# KiCad board k30p-VME.kicad_pcb (continued)
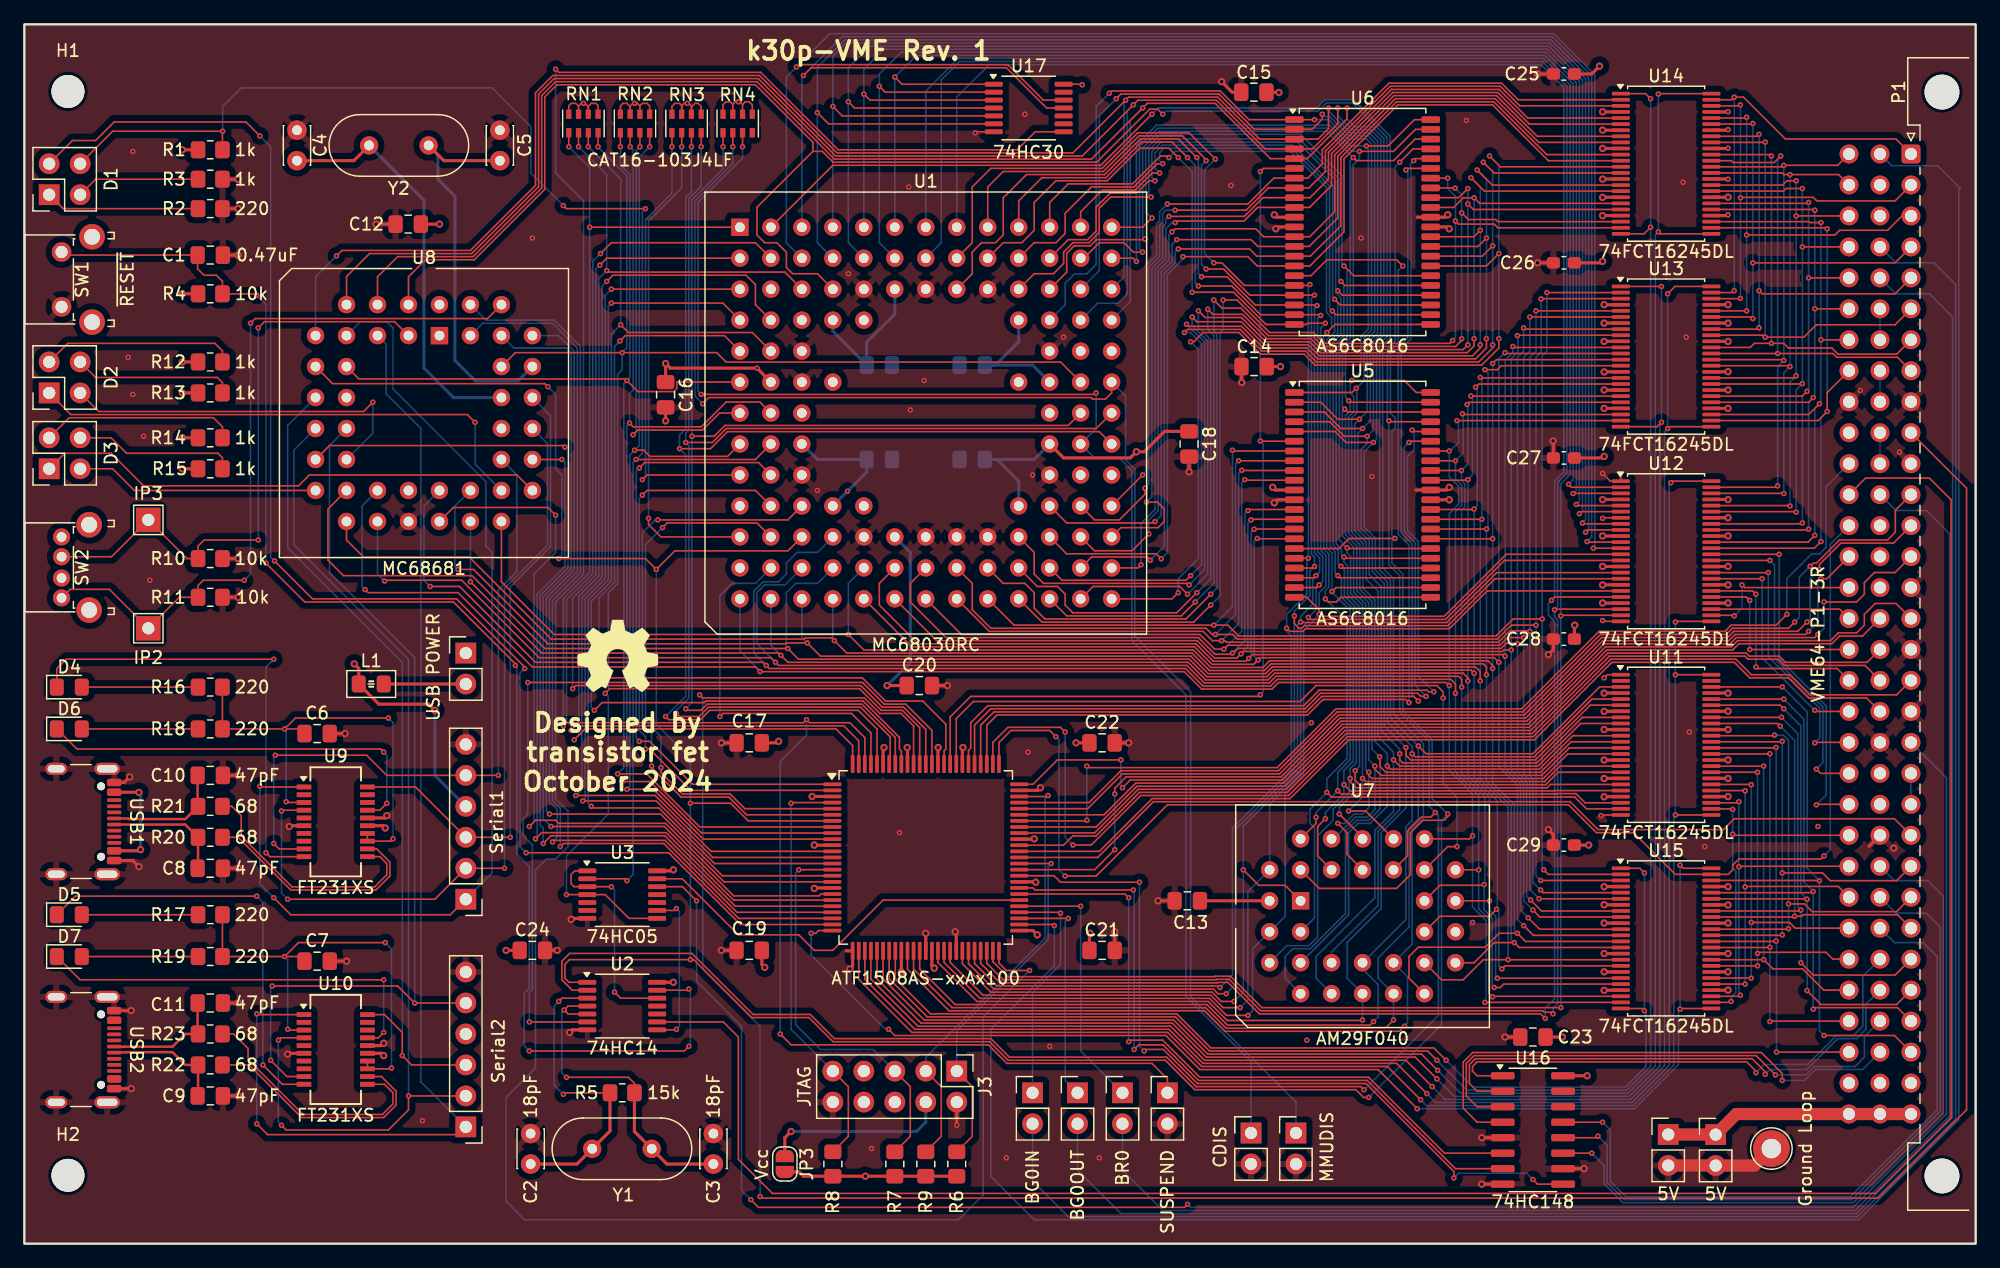
[diagram p0: board, top side]
## Routing (per net, layer and track width the routed paths; a pad name or vN(x,y) marks a point on that pad's centre or on a via; arc(x,y) is an arc through that point) (continued)
TDI: length 34.5
  Top w0.127: v1(62.86,36.12) 62.92,36.17 U4.4 ; J3.9 67.56,12.88 67.56,8.8 R8.2
  Bottom w0.127: J3.9 62.86,17.58 v1(62.86,36.12)
TDO: length 36.8
  Top w0.127: U4.73 83.87,36.67 v1(83.95,36.75) ; J3.3 75.18,12.88 75.18,8.8 R9.2
  Bottom w0.127: v1(83.95,36.75) 83.69,36.5 83.69,25.05 73.91,15.27 J3.3
TMS: length 32.9
  Top w0.127: U4.15 63.9,30.67 63.88,30.66 v1(63.5,30.66) ; J3.5 72.64,12.88 72.64,8.8 R7.2
  Bottom w0.127: v1(63.5,30.66) 63.25,30.4 63.25,17.96 65.28,15.93 69.6,15.93 J3.5
UART1_CTS: length 56
  Top w0.127: U9.9 20.89,32.37 v1(20.45,32.82) ; v1(20.57,40.06) 28.07,40.06 29.72,38.41 J4.5 v1(38.86,38.41)
  Bottom w0.127: U8.32 40.39,63.04 40.39,55.13 38.86,53.6 v1(38.86,38.41) ; v1(20.57,40.06) 20.45,39.93 v1(20.45,32.82)
UART1_DTR: length 85.7
  Top w0.127: v1(20.45,28.37) 21.84,26.97 34.92,26.97 J4.1 ; v1(19.3,37.52) 19.37,37.45 U9.1
  Bottom w0.127: v1(19.3,37.52) 19.3,29.52 v1(20.45,28.37) ; J4.1 38.35,30.4 38.35,56.69 37.85,57.2 37.85,62.48 30.23,70.1 30.23,75.11 29.72,75.62 27.56,75.62 U8.8
UART1_RX: length 66.2
  Top w0.127: v1(39.37,30.78) J4.2 33.66,28.25 v1(21.59,28.25) ; U9.4 21.15,35.55 v1(21.08,35.48)
  Bottom w0.127: v1(21.59,28.25) 21.08,28.75 v1(21.08,35.48) ; v1(39.37,30.78) 39.37,53.75 42.89,57.27 42.89,65.62 U8.33
UART1_TX: length 51.5
  Top w0.127: v1(39.84,33.33) J4.3 32.07,37.45 U9.20
  Bottom w0.127: v1(39.84,33.33) 39.84,53.86 43.14,57.16 43.14,67.91 U8.35
UART2_CTS: length 76.5
  Top w0.127: v1(20.19,15.04) 21.53,13.7 U10.9 ; J5.5 v1(32,19.74) 30.61,21.13 v1(20.32,21.13)
  Bottom w0.127: v1(32,19.74) 32,48.06 25.02,55.04 25.02,65.46 U8.14 ; v1(20.19,15.04) 20.19,21.01 v1(20.32,21.13)
UART2_DTR: length 98.6
  Top w0.127: U10.1 19.11,18.78 v1(19.05,18.85) ; v1(19.05,9.83) 19.94,8.94 35.56,8.94 J5.1
  Bottom w0.127: J5.1 32.51,13.26 32.51,66.85 29.67,69.7 29.67,73.76 U8.5 ; v1(19.05,9.83) v1(19.05,18.85)
UART2_RX: length 85.7
  Top w0.127: v1(21.08,9.7) 21.46,9.32 29.84,9.32 31.5,10.97 v1(31.5,12.12) J5.2 ; v1(20.83,16.69) 21.02,16.88 U10.4
  Bottom w0.127: v1(20.83,16.69) 20.83,9.96 v1(21.08,9.7) ; U8.13 22.1,65.08 22.1,57.32 31.5,47.92 v1(31.5,12.12)
UART2_TX: length 69.7
  Top w0.127: J5.3 31.75,14.66 v1(30.99,15.42) 30.99,17.32 29.53,18.78 U10.20
  Bottom w0.127: v1(30.99,15.42) 30.99,47.68 21.59,57.07 21.59,67.11 U8.11
USB1_5V: length 53.8
  Top w0.254: v2(27.05,47.55) 27.41,47.19 L1.1 29.06,44.25 33.15,44.25 v2(33.66,43.74) ; v2(9.52,32.31) 9.44,32.22 USB1.A9 ; USB1.A4 9.39,37.02 v2(9.4,37.01)
  In1.Cu w0.254: v2(27.05,47.55) 26.54,47.04 11.05,47.04 9.4,45.39 v2(9.4,37.01)
  Bottom w0.254: J4.4 33.66,38.41 v2(33.66,43.74) ; v2(9.52,32.31) 9.52,36.88 v2(9.4,37.01)
USB1_DN: length 9.9
  Top w0.2: USB1.A7 13.2,34.37 R20.1 14.24,30.82 C8.1
USB1_DP: length 9.9
  Top w0.2: C10.1 14.2,35.9 R21.1 13.2,34.82 8.54,34.82 8.49,34.87 USB1.A6
USB2_DN: length 9.9
  Top w0.2: USB2.A7 7.79,15.66 7.82,15.69 8.3,15.69 8.31,15.7 12.14,15.7 13.19,14.66 R22.1 14.24,12.15 C9.1
USB2_DP: length 9.9
  Top w0.2: USB2.A6 7.79,16.16 7.82,16.14 8.13,16.14 8.14,16.15 12.14,16.15 13.19,17.2 R23.1 14.2,17.23 C11.1
VA1: length 52.4
  Top w0.127: v1(147.19,29.77) 147.18,29.78 U15.46 ; P1.a30 153.34,17.07 v1(147.57,17.07) ; v1(144.14,45.66) U11.46
  Bottom w0.127: v1(144.14,45.66) 146.18,43.63 146.18,30.78 v1(147.19,29.77) 147.19,17.45 v1(147.57,17.07)
VA2: length 49.3
  Top w0.127: P1.a29 153.6,19.36 146.81,19.36 v1(146.69,19.23) ; v1(146.69,28.88) 146.59,28.78 U15.44 ; v1(144.27,44.66) U11.44
  Bottom w0.127: v1(146.69,19.23) v1(146.69,28.88) 145.92,29.64 145.92,43.01 v1(144.27,44.66)
VA3: length 47.3
  Top w0.127: v1(144.27,43.87) 143.98,44.16 U11.43 ; U15.43 146.14,28.28 v1(146.18,28.25) ; P1.a28 153.52,19.61 147.32,19.61 v1(146.18,20.75)
  Bottom w0.127: v1(146.18,20.75) v1(146.18,28.25) 145.67,28.75 145.67,42.47 v1(144.27,43.87)
VA4: length 43.9
  Top w0.127: v1(145.67,27.36) 145.6,27.28 U15.41 ; P1.a27 153.39,22.02 146.69,22.02 v1(145.67,23.04) ; v1(144.08,43.17) 144.07,43.16 U11.41
  Bottom w0.127: v1(144.08,43.17) 145.42,41.83 145.42,27.61 v1(145.67,27.36) v1(145.67,23.04)
VA5: length 38.7
  Top w0.127: v1(143.99,42.44) 143.76,42.66 U11.40 ; P1.a26 153.6,26.97 145.88,26.97 145.75,26.85 v1(145.16,26.85) 145.1,26.78 U15.40
  Bottom w0.127: v1(145.16,26.85) 145.16,41.26 v1(143.99,42.44)
VA6: length 39.1
  Top w0.127: P1.a25 153.52,27.23 146.6,27.23 145.97,27.86 v1(144.65,27.86) ; U11.38 143.46,41.66 v1(143.51,41.71) ; U15.38 144.61,25.78 v1(144.65,25.83)
  Bottom w0.127: v1(143.51,41.71) 144.23,41.71 144.65,41.28 v1(144.65,25.83)
VA7: length 38.8
  Top w0.127: v1(144.14,30.4) 147.45,30.4 148.08,29.77 153.52,29.77 P1.a24 ; U15.37 144.11,25.28 v1(144.14,25.32) ; U11.37 144.11,41.16 v1(144.14,41.2)
  Bottom w0.127: v1(144.14,25.32) v1(144.14,41.2)
VA8: length 41.6
  Top w0.127: U11.36 143.61,40.66 v1(143.64,40.69) ; 143.64,15.67 v1(143.68,15.71) P1.c30 ; v1(143.64,24.82) 143.61,24.78 U15.36
  Bottom w0.127: v1(143.64,40.69) v1(143.64,24.82) 143.68,24.78 v1(143.68,15.71)
VA9: length 38.1
  Top w0.127: v1(143.13,18.21) 143.17,18.25 P1.c29 ; U15.35 143.11,24.28 v1(143.13,24.31) ; v1(143.13,40.18) 143.11,40.16 U11.35
  Bottom w0.127: v1(143.13,40.18) v1(143.13,24.31) v1(143.13,18.21)
VA10: length 32.5
  Top w0.127: U11.33 142.61,39.16 v1(142.62,39.17) ; U15.33 142.61,23.28 v1(142.62,23.29) 143.38,22.53 145.82,22.53 147.56,20.79 P1.c28
  Bottom w0.127: v1(142.62,23.29) v1(142.62,39.17)
VA11: length 31.2
  Top w0.127: v1(142.11,23.8) 142.2,23.89 147.74,23.89 148.3,23.33 P1.c27 ; U15.32 142.11,22.78 v1(142.11,22.78) ; v1(142.11,38.66) 142.11,38.66 U11.32
  Bottom w0.127: v1(142.11,22.78) v1(142.11,38.66)
VA12: length 30.6
  Top w0.127: v1(141.61,37.64) 141.59,37.66 U11.30 ; v1(141.61,26.34) 144.74,26.34 145.21,25.87 P1.c26 ; U15.30 141.59,21.78 v1(141.61,21.77)
  Bottom w0.127: v1(141.61,21.77) v1(141.61,37.64)
VA13: length 30.3
  Top w0.127: U11.29 141.07,37.16 v1(141.1,37.14) ; v1(141.1,29.26) 141.13,29.3 148.73,29.3 P1.c25 ; v1(141.1,21.28) U15.29
  Bottom w0.127: v1(141.1,21.28) v1(141.1,37.14)
VA14: length 29.7
  Top w0.127: v1(140.72,20.37) 140.63,20.28 U15.27 ; U11.27 140.5,36.16 v1(140.59,36.25) ; v1(140.59,30.91) 140.63,30.95 P1.c24
  Bottom w0.127: v1(140.72,20.37) 140.59,20.5 v1(140.59,30.91) v1(140.59,36.25)
VA15: length 29
  Top w0.127: v1(140.08,35.61) 140.03,35.66 U11.26 ; P1.c23 140.17,33.49 v1(140.08,33.58) ; U15.26 139.88,19.78 v1(139.95,19.86)
  Bottom w0.127: v1(139.95,19.86) 139.95,20.2 140.33,20.58 140.33,30.58 140.08,30.83 v1(140.08,33.58) v1(140.08,35.61)
VA16: length 30.7
  Top w0.127: P1.c22 146.98,36.03 v1(146.94,35.99) ; v1(143.89,56.53) U12.36
  Bottom w0.127: v1(146.94,35.99) 147.74,36.79 147.74,44.12 143.89,47.97 v1(143.89,56.53)
VA17: length 26.8
  Top w0.127: v1(146.94,38.91) 147.28,38.57 P1.c21 ; v1(143.13,56.03) U12.35
  Bottom w0.127: v1(146.94,38.91) 147.48,39.46 147.48,44.02 143.51,47.99 143.51,55.65 v1(143.13,56.03)
VA18: length 23.4
  Top w0.127: v1(146.81,41.07) 146.85,41.11 P1.c20 ; v1(143,55.04) 143,55.03 U12.33
  Bottom w0.127: v1(143,55.04) 143,48.14 147.23,43.91 147.23,41.49 v1(146.81,41.07)
VA19: length 19.6
  Top w0.127: P1.c19 146.9,43.65 v1(146.81,43.74) ; U12.32 v1(142.49,54.53)
  Bottom w0.127: v1(142.49,54.53) 142.49,48.06 v1(146.81,43.74)
VA20: length 17.8
  Top w0.127: U12.30 141.71,53.53 v1(141.99,53.26) ; P1.c18 148.64,47.17 142.11,47.17 v1(141.99,47.3)
  Bottom w0.127: v1(141.99,47.3) v1(141.99,53.26)
VA21: length 15.8
  Top w0.127: U12.29 141.2,53.03 v1(141.48,52.76) 141.22,53.01 ; v1(141.48,48.73) P1.c17
  Bottom w0.127: v1(141.48,48.73) v1(141.48,52.76)
VA22: length 11.6
  Top w0.127: P1.c16 148.86,52.03 U12.27
VA23: length 13.6
  Top w0.127: v1(140.84,54.03) 141.06,53.81 P1.c15 ; v1(140.21,51.49) 140.16,51.53 U12.26
  Bottom w0.127: v1(140.84,54.03) 140.84,52.12 v1(140.21,51.49)
VAM0: length 77.7
  Top w0.127: U4.68 87.89,34.17 91.23,37.52 103.36,37.52 108.18,42.34 123.4,42.34 129.75,48.69 140.08,48.69 140.59,49.2 148.21,49.2 148.84,49.83 150.73,49.83 P1.b16
VAM1: length 77.5
  Top w0.127: U4.67 82.59,33.67 82.6,33.69 87.76,33.69 91.33,37.26 103.46,37.26 108.29,42.09 123.51,42.09 129.86,48.44 141.18,48.44 141.43,48.18 143.89,48.18 144.4,47.68 151.11,47.68 P1.b17
VAM2: length 77.8
  Top w0.127: U4.65 85.2,32.67 85.96,33.43 87.87,33.43 91.44,37.01 103.57,37.01 108.39,41.83 123.61,41.83 129.96,48.18 141.07,48.18 141.33,47.93 143.79,47.93 144.29,47.42 150.93,47.42 P1.b18
VAM3: length 78.7
  Top w0.127: P1.b19 151.06,44.75 146.3,44.75 144.65,46.41 141.48,46.41 140.21,47.68 130.18,47.68 123.83,41.33 108.6,41.33 103.78,36.5 92.48,36.5 88.15,32.17 U4.64
VAM4: length 76.9
  Top w0.127: U4.63 88.01,31.67 92.58,36.25 126.75,36.25 129.03,33.96 139.32,33.96 140.21,34.85 153.34,34.85 P1.a23
VAM5: length 83.6
  Top w0.127: P1.c14 147.8,54.53 v1(147.32,54.53) ; v1(89.41,36.88) 89.41,37.34 90.34,38.28 103.04,38.28 107.87,43.1 123.09,43.1 129.44,49.45 139.77,49.45 140.27,49.96 146.05,49.96 v1(146.3,50.22) ; U4.61 87.77,30.67 v1(89.41,32.31)
  Bottom w0.127: v1(146.3,50.22) 147.07,50.98 147.07,54.28 v1(147.32,54.53) ; v1(89.41,32.31) v1(89.41,36.88)
VD0: length 36.2
  Top w0.127: U14.47 140,93.82 v1(140.21,94.03) 140.97,94.03 144.4,90.6 153.47,90.6 P1.a1 ; v1(140.21,78.16) 140.06,78 U13.47
  Bottom w0.127: v1(140.21,78.16) v1(140.21,94.03)
VD1: length 35.3
  Top w0.127: v1(140.72,85.78) 140.75,85.81 146.69,85.81 146.98,85.52 153.39,85.52 P1.a2 ; U13.46 140.7,77.5 v1(140.72,77.52) ; U14.46 140.64,93.32 v1(140.72,93.4)
  Bottom w0.127: v1(140.72,77.52) v1(140.72,85.78) v1(140.72,93.4)
VD2: length 35.8
  Top w0.127: v1(141.22,82.73) 148.46,82.73 148.84,83.11 152.78,83.11 153.96,84.29 P1.a3 ; v1(141.22,92.38) 141.16,92.32 U14.44 ; U13.44 v1(141.22,76.5)
  Bottom w0.127: v1(141.22,92.38) v1(141.22,82.73) v1(141.22,76.5)
VD3: length 36.5
  Top w0.127: v1(141.73,91.87) 141.61,91.87 141.55,91.82 U14.43 ; v1(141.73,75.87) 141.6,76 U13.43 ; P1.a4 153.39,80.44 v1(141.73,80.44)
  Bottom w0.127: v1(141.73,75.87) v1(141.73,80.44) v1(141.73,91.87) 141.73,91.75
VD4: length 36.9
  Top w0.127: U14.41 142.08,90.82 v1(142.24,90.98) ; v1(142.24,78.16) 142.49,77.9 153.39,77.9 P1.a5 ; v1(142.24,75.11) 142.14,75 U13.41
  Bottom w0.127: v1(142.24,90.98) v1(142.24,78.16) v1(142.24,75.11)
VD5: length 37.8
  Top w0.127: U14.40 142.72,90.32 v1(142.75,90.35) ; U13.40 142.59,74.5 v1(142.75,74.35) 145.92,74.35 146.94,75.36 153.39,75.36 P1.a6
  Bottom w0.127: v1(142.75,74.35) v1(142.75,90.35)
VD6: length 37.7
  Top w0.127: U13.38 141.53,73.5 141.86,73.84 v1(143.26,73.84) 144.27,73.84 144.65,73.46 148.21,73.46 148.72,72.95 153.52,72.95 P1.a7 ; v1(143.26,89.2) 143.14,89.32 U14.38
  Bottom w0.127: v1(143.26,73.84) v1(143.26,89.2)
VD7: length 39.2
  Top w0.127: P1.a8 153.6,72.69 148.61,72.69 148.3,73 v1(143.76,73) U13.37 ; U14.37 139.96,88.82 140.11,88.67 143.48,88.67 v1(144.02,89.2)
  Bottom w0.127: v1(144.02,89.2) 143.76,88.95 v1(143.76,73)
VD8: length 49.7
  Top w0.127: U14.36 144.15,88.32 v1(144.27,88.44) 148.69,88.44 P1.c1 ; U13.36 144.21,72.5 v1(144.27,72.44) ; v1(143.76,62.15) 143.64,62.03 U12.47
  Bottom w0.127: v1(144.27,88.44) v1(144.27,72.44) 143.76,71.93 v1(143.76,62.15)
VD9: length 50.5
  Top w0.127: U14.35 144.13,87.82 144.27,87.68 v1(144.78,87.68) 148.77,87.68 P1.c2 ; U13.35 144.71,72 v1(144.78,71.93) ; U12.46 144.26,61.53 v1(144.27,61.52)
  Bottom w0.127: v1(144.27,61.52) 144.27,71.42 v1(144.78,71.93) v1(144.78,87.68)
VD10: length 51.8
  Top w0.127: U13.33 145.12,71 v1(145.29,71.17) ; v1(145.29,87.17) 144.53,87.17 144.17,86.82 U14.33 ; v1(144.78,60.5) 144.75,60.53 U12.44 ; v1(145.29,84.29) P1.c3
  Bottom w0.127: v1(144.78,60.5) 144.78,70.66 v1(145.29,71.17) v1(145.29,84.29) v1(145.29,87.17)
VD11: length 52.6
  Top w0.127: v1(145.29,60) 145.25,60.03 U12.43 ; v1(145.8,70.54) 145.76,70.5 U13.32 ; U14.32 144.24,86.32 144.45,86.54 v1(145.8,86.54) ; v1(145.8,81.75) P1.c4
  Bottom w0.127: v1(145.8,86.54) v1(145.8,81.75) v1(145.8,70.54) 145.29,70.03 v1(145.29,60)
VD12: length 53.3
  Top w0.127: v1(145.8,59.11) 145.73,59.03 U12.41 ; U14.30 146.23,85.32 v1(146.3,85.4) ; v1(146.18,69.9) 145.78,69.5 U13.30 ; v1(146.3,79.21) P1.c5
  Bottom w0.127: v1(146.3,85.4) v1(146.3,79.21) 146.3,70.03 v1(146.18,69.9) 145.8,69.52 v1(145.8,59.11)
VD13: length 54.2
  Top w0.127: v1(146.69,69.39) 146.3,69 U13.29 ; v1(146.81,84.76) 146.75,84.82 U14.29 ; U12.40 146.24,58.53 v1(146.3,58.6) ; v1(146.81,76.67) P1.c6
  Bottom w0.127: v1(146.81,84.76) v1(146.81,76.67) 146.81,69.52 v1(146.69,69.39) 146.3,69.01 v1(146.3,58.6)
VD14: length 55.1
  Top w0.127: U12.38 146.26,57.53 v1(146.81,58.09) ; v1(147.19,68.88) 146.31,68 U13.27 ; v1(147.32,74.13) P1.c7 ; v1(147.32,83.74) 146.43,83.74 146.36,83.82 U14.27
  Bottom w0.127: v1(147.32,83.74) v1(147.32,74.13) 147.32,69.01 v1(147.19,68.88) 146.81,68.5 v1(146.81,58.09)
VD15: length 58.5
  Top w0.127: U14.26 147.74,83.32 v1(147.83,83.24) ; P1.c8 147.83,69.8 v1(147.83,68.25) 147.08,67.5 U13.26 ; v1(147.32,57.58) 146.77,57.03 U12.37
  Bottom w0.127: v1(147.32,57.58) 147.32,67.74 v1(147.83,68.25) v1(147.83,83.24)
VSYSCLK: length 224.3
  Top w0.127: U4.90 72.91,42.45 71.88,43.48 70.15,43.48 68.88,44.75 55.63,44.75 v1(55.37,45.01) ; P1.a10 159.26,61.95 159.26,10.97 152.02,3.73 60.45,3.73 v1(60.33,3.86)
  Bottom w0.127: v1(55.37,45.01) 55.63,44.75 55.63,22.53 60.33,17.83 v1(60.33,3.86)
~{A40X_OE}: length 125
  Top w0.127: v1(135,62.41) 135.13,62.53 U12.48 ; U4.28 68.91,21.69 73.03,17.58 93.85,17.58 96.65,14.78 112.52,14.78 v1(115,12.31)
  Bottom w0.127: v1(115,12.31) 115.73,11.57 131.81,11.57 134.87,14.64 134.87,62.28 v1(135,62.41)
~{AL_OE}: length 120.1
  Top w0.127: U4.27 68.41,21.68 72.77,17.32 93.75,17.32 96.54,14.53 111.76,14.53 v1(114.49,11.8) ; U11.48 v1(135.38,46.66) ; v1(135.38,35.16) U11.25 ; U12.25 135.44,51.03 v1(135.38,50.98)
  Bottom w0.127: v1(114.49,11.8) 114.97,11.32 131.91,11.32 135.25,14.66 135.25,35.03 v1(135.38,35.16) v1(135.38,46.66) v1(135.38,50.98)
~{AS}: length 51.3
  Top w0.127: v1(50.42,41.2) 51.26,41.2 54.79,37.67 U4.1 ; U1.J2 60.2,64.06 50.86,64.06 v1(50.42,63.61)
  Bottom w0.127: v1(50.42,41.2) 50.17,41.45 50.17,63.36 v1(50.42,63.61)
~{AVEC}: length 91.6
  Top w0.127: v1(46.74,43.74) 47.37,44.37 55.75,44.37 55.88,44.5 68.77,44.5 71.75,41.52 71.75,40.56 71.91,40.41 U4.92 ; v1(46.24,89.97) RN1.3 ; v1(48.89,75.36) 49.53,74.73 59.69,74.73 U1.E2
  Bottom w0.127: v1(46.74,43.74) 46.48,43.99 46.48,52.68 48.13,54.33 48.13,74.6 v1(48.89,75.36) 48.89,87.31 v1(46.24,89.97)
~{BERR}: length 82.4
  Top w0.127: U1.H1 57.66,64.57 51.31,64.57 50.8,65.08 v1(50.04,65.08) ; v1(51.27,89.97) RN2.4 ; v1(49.4,37.26) 51.58,37.26 55.66,33.17 64.56,33.17 64.57,33.18 64.97,33.18 64.98,33.17 U4.10
  Bottom w0.127: v1(51.27,89.97) 50.42,89.12 50.42,65.46 v1(50.04,65.08) 49.66,64.69 49.66,37.52 v1(49.4,37.26)
~{BGACK}: length 93.8
  Top w0.127: v1(47.75,79.81) 47.88,79.68 62.36,79.68 U1.C3 ; v1(45.44,89.97) RN1.2 ; v1(45.09,41.33) 45.97,42.22 66.55,42.22 67.91,40.85 U4.100
  Bottom w0.127: v1(45.44,89.97) 47.75,87.66 v1(47.75,79.81) 47.12,79.17 47.12,54.75 45.47,53.1 45.47,41.71 v1(45.09,41.33)
~{BG}: length 81.4
  Top w0.127: v1(44.83,42.09) 45.21,42.47 67.18,42.47 68.41,41.24 U4.99 ; v1(47.24,81.2) 48.13,82.09 59.94,82.09 U1.B2
  Bottom w0.127: v1(47.24,81.2) 46.61,80.57 46.61,54.96 44.45,52.8 44.45,42.81 44.83,42.42 v1(44.83,42.09)
~{BR}: length 151.4
  Top w0.127: v1(44.64,89.97) RN1.1 ; JP8.1 93.73,13.51 92.46,14.78 80.56,14.78 79.04,16.31 62.86,16.31 v1(61.98,17.2) ; v1(46.36,83.36) U1.A1 ; U4.98 68.91,41.5 67.69,42.72 64.39,42.72 v1(64.14,42.98) 63.88,42.72 44.45,42.72 v1(44.2,42.47)
  Bottom w0.127: v1(61.98,17.2) 61.98,39.55 64.14,41.71 v1(64.14,42.98) ; v1(44.64,89.97) 46.36,88.25 v1(46.36,83.36) 46.36,55.07 44.2,52.91 v1(44.2,42.47)
~{CDIS}: length 123.7
  Top w0.127: v1(55.5,69.65) 87.76,69.65 v1(87.88,69.77) ; v1(58.89,89.97) RN4.3
  Bottom w0.127: JP1.1 100.58,14.93 95.25,20.27 95.25,45.01 90.81,49.45 90.81,63.42 89.79,64.44 87.76,64.44 U1.H12 87.88,66.85 v1(87.88,69.77) ; v1(58.89,89.97) 58.89,89.04 55.25,85.4 55.25,69.9 v1(55.5,69.65)
~{D16X_OE}: length 143.5
  Top w0.127: U13.48 135.35,78.5 v1(134.75,77.9) ; U13.25 134.9,67 v1(134.75,66.85) ; U4.29 69.41,21.7 73.28,17.83 93.98,17.83 96.77,15.04 113.28,15.04 v1(115.44,12.88)
  Bottom w0.127: v1(115.44,12.88) 116.5,11.83 131.7,11.83 134.49,14.62 134.49,66.6 v1(134.75,66.85) v1(134.75,77.9)
~{DL_OE}: length 159
  Top w0.127: v1(115.89,14.21) 114.55,15.55 97.03,15.55 94.23,18.34 73.79,18.34 70.41,21.71 U4.31 ; U14.48 134.02,94.32 v1(133.99,94.28) ; U14.25 134.15,82.82 v1(133.99,82.98)
  Bottom w0.127: v1(133.99,94.28) v1(133.99,82.98) 133.73,82.73 133.73,14.57 131.49,12.33 117.77,12.33 v1(115.89,14.21)
~{DS0}: length 85.3
  Top w0.127: v1(113.54,44.37) 113.28,44.63 106.49,44.63 105.22,43.36 79.76,43.36 78.91,42.52 U4.78 ; v1(113.28,88.06) 113.41,88.19 U6.39
  Bottom w0.127: v1(113.54,44.37) 113.54,57.28 112.65,58.17 112.65,73.5 113.45,74.3 113.45,87.9 v1(113.28,88.06)
~{DS1}: length 87
  Top w0.127: v1(114.3,44.5) 114.3,44.51 113.93,44.88 106.38,44.88 105.11,43.61 79.5,43.61 78.41,42.52 U4.79 ; v1(113.92,88.82) 114.08,88.99 U6.40
  Bottom w0.127: v1(114.3,44.5) 113.79,45.01 113.79,57.39 112.9,58.28 112.9,73.4 113.7,74.19 113.7,88.23 113.67,88.27 113.67,88.57 v1(113.92,88.82)
~{DS2}: length 64.9
  Top w0.127: U4.80 77.91,42.53 79.25,43.87 105.01,43.87 106.28,45.14 114.26,45.14 114.51,44.88 v1(114.93,44.88) ; v1(113.54,65.71) 113.64,65.81 U5.39
  Bottom w0.127: v1(113.54,65.71) 113.16,65.33 113.16,58.38 114.05,57.49 114.05,45.77 v1(114.93,44.88)
~{DS3}: length 66.8
  Top w0.127: v1(113.79,66.73) 113.91,66.61 U5.40 ; U4.81 77.41,40.45 77.6,40.63 77.6,42.72 78.99,44.12 104.9,44.12 106.17,45.39 115.02,45.39 115.14,45.26 v1(115.57,45.26)
  Bottom w0.127: v1(113.79,66.73) 113.96,66.56 113.96,65.11 113.41,64.57 113.41,58.49 114.3,57.6 114.3,46.53 v1(115.57,45.26)
~{DSACK0}: length 106.5
  Top w0.127: U8.10 27.43,70.92 49.28,70.92 v1(49.4,70.79) 50.31,69.88 53.24,69.88 53.49,70.14 53.49,70.66 U1.F1 ; RN2.1 v1(48.87,89.97) ; v1(48.64,38.53) 51.02,38.53 55.38,34.17 U4.8
  Bottom w0.127: v1(48.87,89.97) 48.87,88.47 49.66,87.68 49.66,71.04 v1(49.4,70.79) 49.15,70.54 49.15,39.04 v1(48.64,38.53)
~{DSACK1}: length 85.6
  Top w0.127: v1(49.02,37.9) 51.3,37.9 55.52,33.67 U4.9 ; v1(49.67,89.97) RN2.2 ; U1.G2 60.31,69.02 57.54,69.02 55.52,67 49.93,67 v1(49.62,67.31)
  Bottom w0.127: v1(49.67,89.97) 49.91,89.73 49.91,70 49.62,69.71 v1(49.62,67.31) 49.4,67.09 49.4,38.28 v1(49.02,37.9)
~{DS}: length 49.1
  Top w0.127: U4.2 54.65,37.17 51.26,40.56 v1(50.93,40.56) ; U1.K2 59.94,61.77 51.05,61.77 v1(50.67,61.39)
  Bottom w0.127: v1(50.67,61.39) 50.42,61.14 50.42,42.09 50.93,41.58 v1(50.93,40.56)
~{ECS}: length 30.8
  Top w0.127: v1(57.02,43.23) 57.28,43.48 67.82,43.48 69.41,41.89 U4.97
  Bottom w0.127: v1(57.02,43.23) 57.02,53.14 58.04,54.15 59.94,54.15 U1.M2
~{HALT}: length 128.6
  Top w0.127: v1(49.4,29.77) 49.25,29.93 U3.2 ; U1.H2 59.94,64.31 v1(50.17,64.31) ; D1.1 7.24,91.24 v1(16.26,91.24) 16.24,91.22 R1.1 ; v1(50.93,84.89) 44.45,84.89 v1(44.2,85.14)
  Bottom w0.127: v1(49.4,29.77) 49.91,30.28 49.91,64.06 v1(50.17,64.31) 50.67,64.82 50.67,84.63 v1(50.93,84.89) ; v1(44.2,85.14) 41.53,87.81 41.53,91.62 38.35,94.79 17.78,94.79 16.26,93.27 v1(16.26,91.24)
~{IOSEL}: length 68.3
  Top w0.127: v1(43.05,35.23) 52.17,35.23 57.23,30.17 U4.16
  Bottom w0.127: U8.39 43.79,74.47 45.09,73.18 45.09,55.23 42.8,52.95 42.8,35.48 v1(43.05,35.23)
~{IPL0}: length 106.9
  Top w0.127: 54.7,91.11 v1(54.7,89.97) ; U4.96 69.91,42.21 68.38,43.74 56.2,43.74 55.43,42.98 52.83,42.98 v1(52.58,43.23) ; U1.H13 88.14,66.6 57.66,66.6 56.26,65.2 v1(53.72,65.2)
  Bottom w0.127: v1(52.58,43.23) 54.23,44.88 54.23,64.69 v1(53.72,65.2) 53.72,66.32 54.23,66.83 54.23,85.82 54.7,86.29 v1(54.7,89.97)
~{IPL1}: length 105.8
  Top w0.127: U1.G13 87.88,66.85 57.55,66.85 56.41,65.71 v1(54.23,65.71) ; v1(55.5,89.97) 55.5,91.11 ; v1(53.47,43.48) 53.72,43.23 55.33,43.23 56.09,43.99 68.56,43.99 70.99,41.56 70.99,39.42 U4.94
  Bottom w0.127: v1(53.47,43.48) 53.47,43.74 54.48,44.75 54.48,65.46 v1(54.23,65.71) 54.23,66.47 54.48,66.73 54.48,85.71 55.5,86.73 v1(55.5,89.97)
~{IPL2}: length 101.9
  Top w0.127: v1(54.74,66.22) 56.56,66.22 57.45,67.11 85.6,67.11 U1.G12 ; v1(57.29,89.97) RN4.1 ; v1(54.23,43.87) 54.36,43.74 55.48,43.74 55.99,44.25 68.67,44.25 71.41,41.5 U4.93
  Bottom w0.127: v1(57.29,89.97) 57.29,88.16 54.74,85.61 v1(54.74,66.22) 54.74,44.37 v1(54.23,43.87)
~{MD32X_OE}: length 103.1
  Top w0.127: v1(64.52,25.45) 64.9,25.45 65.12,25.67 U4.25 ; U15.48 136.02,30.78 v1(135.76,31.04) ; v1(114.21,11.06) 111,14.28 96.39,14.28 93.6,17.07 71.37,17.07 v1(70.87,17.58) ; v1(135.76,19.23) 135.82,19.28 U15.25
  Bottom w0.127: v1(135.76,31.04) v1(135.76,19.23) 135.64,19.1 135.64,14.68 132.02,11.06 v1(114.21,11.06) ; v1(64.52,25.45) 64.52,23.67 70.61,17.58 v1(70.87,17.58)
~{MMUDIS}: length 126.5
  Top w0.127: U1.F13 89.15,69.77 88.65,69.27 87.59,69.27 87.46,69.39 56.13,69.39 v1(55.63,68.88) ; v1(58.09,89.97) RN4.2
  Bottom w0.127: v1(58.09,89.97) 58.09,88.6 54.99,85.5 54.99,69.52 v1(55.63,68.88) ; U1.F13 90.3,69.52 90.3,64.29 91.06,63.53 91.06,49.83 95.63,45.26 95.63,20.24 104.27,11.61 JP2.1
~{RAMSEL}: length 78.9
  Top w0.127: U4.84 75.91,43.2 77.6,44.88 101.22,44.88 v1(101.35,45.01) ; U6.6 101.6,88.19 v1(101.35,87.94) ; v1(101.35,65.84) 101.37,65.81 U5.6
  Bottom w0.127: v1(101.35,45.01) 101.57,45.24 101.57,65.61 v1(101.35,65.84) v1(101.35,87.94)
~{RD}: length 168.4
  Top w0.127: U7.24 113.41,31.8 113.41,33.83 114.55,34.98 115.32,34.98 v1(115.7,35.36) ; v1(109.86,12.62) 109.6,12.88 96.08,12.88 93.66,15.29 80.77,15.29 79.25,16.81 66.42,16.81 64.44,18.79 59.74,18.79 54.74,23.8 44.7,23.8 44.07,23.17 44.07,21.64 44.93,20.78 U2.2 ; U5.41 111.96,67.41 v1(111.89,67.49) ; U6.41 113.87,89.79 v1(112.78,88.7)
  Bottom w0.127: v1(112.78,88.7) 112.39,88.32 112.39,73.97 111.76,73.33 111.76,67.61 v1(111.89,67.49) 111.89,55.68 112.78,54.79 112.78,43.61 115.19,41.2 115.19,35.86 v1(115.7,35.36) 115.95,35.1 115.95,18.72 v1(109.86,12.62)
~{RESET}: length 153.2
  Top w0.127: U4.89 73.41,42.31 71.99,43.74 70.25,43.74 68.47,45.52 48.01,45.52 v1(47.62,45.14) ; U1.F12 84.98,72.3 57.54,72.3 56.77,73.08 v1(49.02,73.08) 40.26,73.08 U8.38 ; v1(44.45,28.63) U3.4 47.62,28.63 49.58,26.68 U3.8 ; v1(47.04,89.97) RN1.4
  Bottom w0.127: v1(44.45,28.63) 44.45,31.8 47.88,35.23 47.88,44.88 v1(47.62,45.14) 47.88,45.39 47.88,53.36 48.64,54.12 48.64,71.3 49.02,71.68 v1(49.02,73.08) 49.4,73.46 49.4,87.58 47.04,89.94 v1(47.04,89.97)
~{RMC}: length 80.8
  Top w0.127: v1(47.18,80.25) 47.75,80.82 U1.B1 ; U4.88 73.91,42.17 72.09,43.99 70.36,43.99 68.58,45.77 45.21,45.77 v1(44.96,45.52)
  Bottom w0.127: v1(47.18,80.25) 46.86,79.93 46.86,54.86 44.96,52.95 v1(44.96,45.52)
~{ROMSEL}: length 61.6
  Top w0.127: U7.22 116.71,32.56 v1(117.48,32.56) ; U4.83 76.41,43.06 77.81,44.46 104.61,44.46 105.92,45.77 115.82,45.77 116.33,45.26 v1(116.33,44.75)
  Bottom w0.127: v1(116.33,44.75) 116.33,37.77 117.48,36.63 v1(117.48,32.56)
~{SIACK}: length 71.9
  Top w0.127: U4.19 65.33,28.67 65.18,28.52 58.16,28.52 52.47,34.21 v1(43.18,34.21)
  Bottom w0.127: U8.41 40.13,73.46 44.45,73.46 44.83,73.08 44.83,55.34 42.55,53.05 42.55,34.85 v1(43.18,34.21)
~{SIRQ}: length 63.8
  Top w0.127: v1(43.56,59.74) 42.93,60.38 35.18,60.38 U8.24 ; U4.17 57.37,29.67 52.57,34.47 43.81,34.47 43.56,34.72 41.91,34.72 v1(41.4,34.21)
  Bottom w0.127: v1(41.4,34.21) 41.78,34.59 41.78,54.92 43.56,56.69 v1(43.56,59.74)
~{VAS}: length 94.6
  Top w0.127: v1(85.98,32.69) 87.48,32.69 91.55,36.75 103.67,36.75 108.5,41.58 123.72,41.58 130.07,47.93 140.33,47.93 141.61,46.66 144.76,46.66 146.41,45.01 153.52,45.01 P1.a18 ; v1(85.34,41.96) 84.96,42.34 80.64,42.34 79.41,41.11 U4.77
  Bottom w0.127: v1(85.98,32.69) 85.34,33.33 v1(85.34,41.96)
~{VBBSY}: length 194.1
  Top w0.127: v1(84.45,26.09) 84.37,26.17 U4.52
  Bottom w0.127: v1(84.45,26.09) 84.45,22.78 79.25,17.58 79.25,5.51 82.8,1.96 150.43,1.96 158.62,10.15 158.62,86.41 158.75,86.54 156.88,88.4 153.13,88.4 P1.b1
~{VBERR}: length 87.5
  Top w0.127: v1(87.12,34.72) 87.07,34.67 U4.69 ; v1(144.53,51.61) 143.64,50.72 139.96,50.72 139.45,50.22 129.12,50.22 122.77,43.87 107.55,43.87 102.72,39.04 87.25,39.04 v1(87.12,39.17)
  Bottom w0.127: v1(144.53,51.61) 144.53,54.53 146.56,56.57 147.19,56.57 147.74,57.11 147.74,62.09 P1.c11 ; v1(87.12,34.72) v1(87.12,39.17)
~{VBG0IN}: length 160.8
  Bottom w0.127: JP5.2 82.67,5.14 85.6,2.21 150.32,2.21 158.37,10.25 158.37,78.66 156.59,80.44 153.47,80.44 P1.b4
~{VBG0OUT}: length 153.2
  Bottom w0.127: JP6.2 86.36,6.02 89.92,2.46 150.22,2.46 158.12,10.36 158.12,76 156.21,77.9 153.47,77.9 P1.b5
~{VBGIN}: length 19.1
  Top w0.127: v1(84.96,27.1) 84.89,27.17 U4.54
  Bottom w0.127: v1(84.96,27.1) 84.96,22.91 82.67,20.62 JP5.1
~{VBGOUT}: length 18.9
  Top w0.127: v1(85.6,26.67) U4.53
  Bottom w0.127: JP6.1 85.34,13.39 85.34,26.42 v1(85.6,26.67)
~{VBR0}: length 131
  Bottom w0.127: P1.b12 153.47,60.12 155.96,60.12 157.86,58.22 157.86,10.47 150.11,2.72 93.35,2.72 90.04,6.02 JP7.2
